# Altium PCB TD4_CPU.PcbDoc (part 1 of 3)
Units mm, origin at the board's own origin, x right, y up, seen from the top; angles counter-clockwise.
Board outline 102.11 x 192.02 mm, 2 copper layers (Top Layer, Bottom Layer); 361 components, 295 nets, 1160 pads, 333 vias.
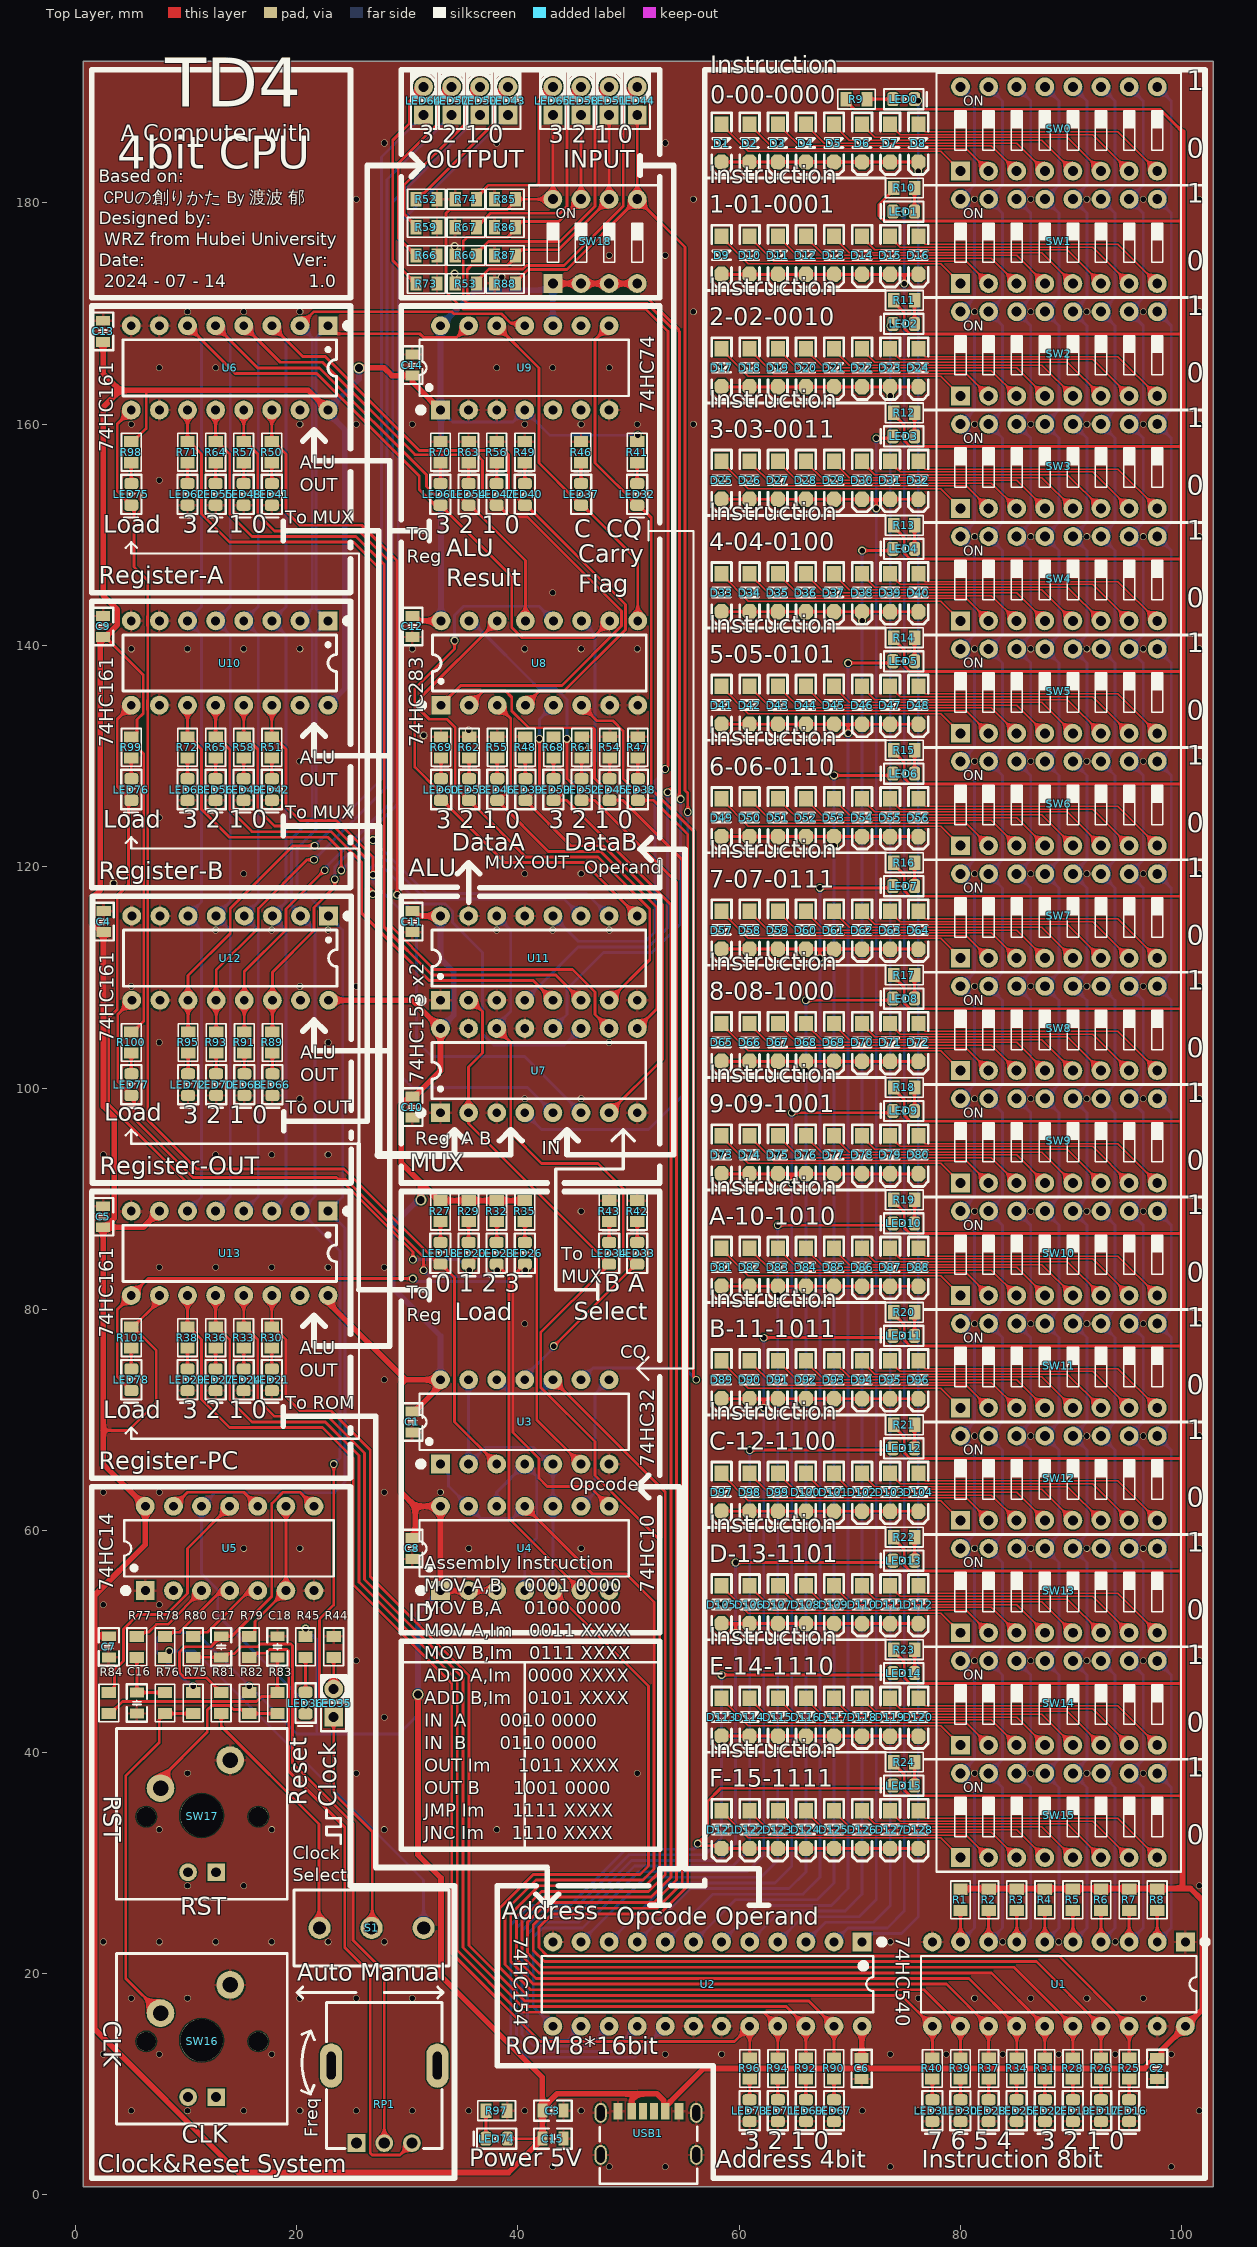
[diagram p0: Top Layer view]
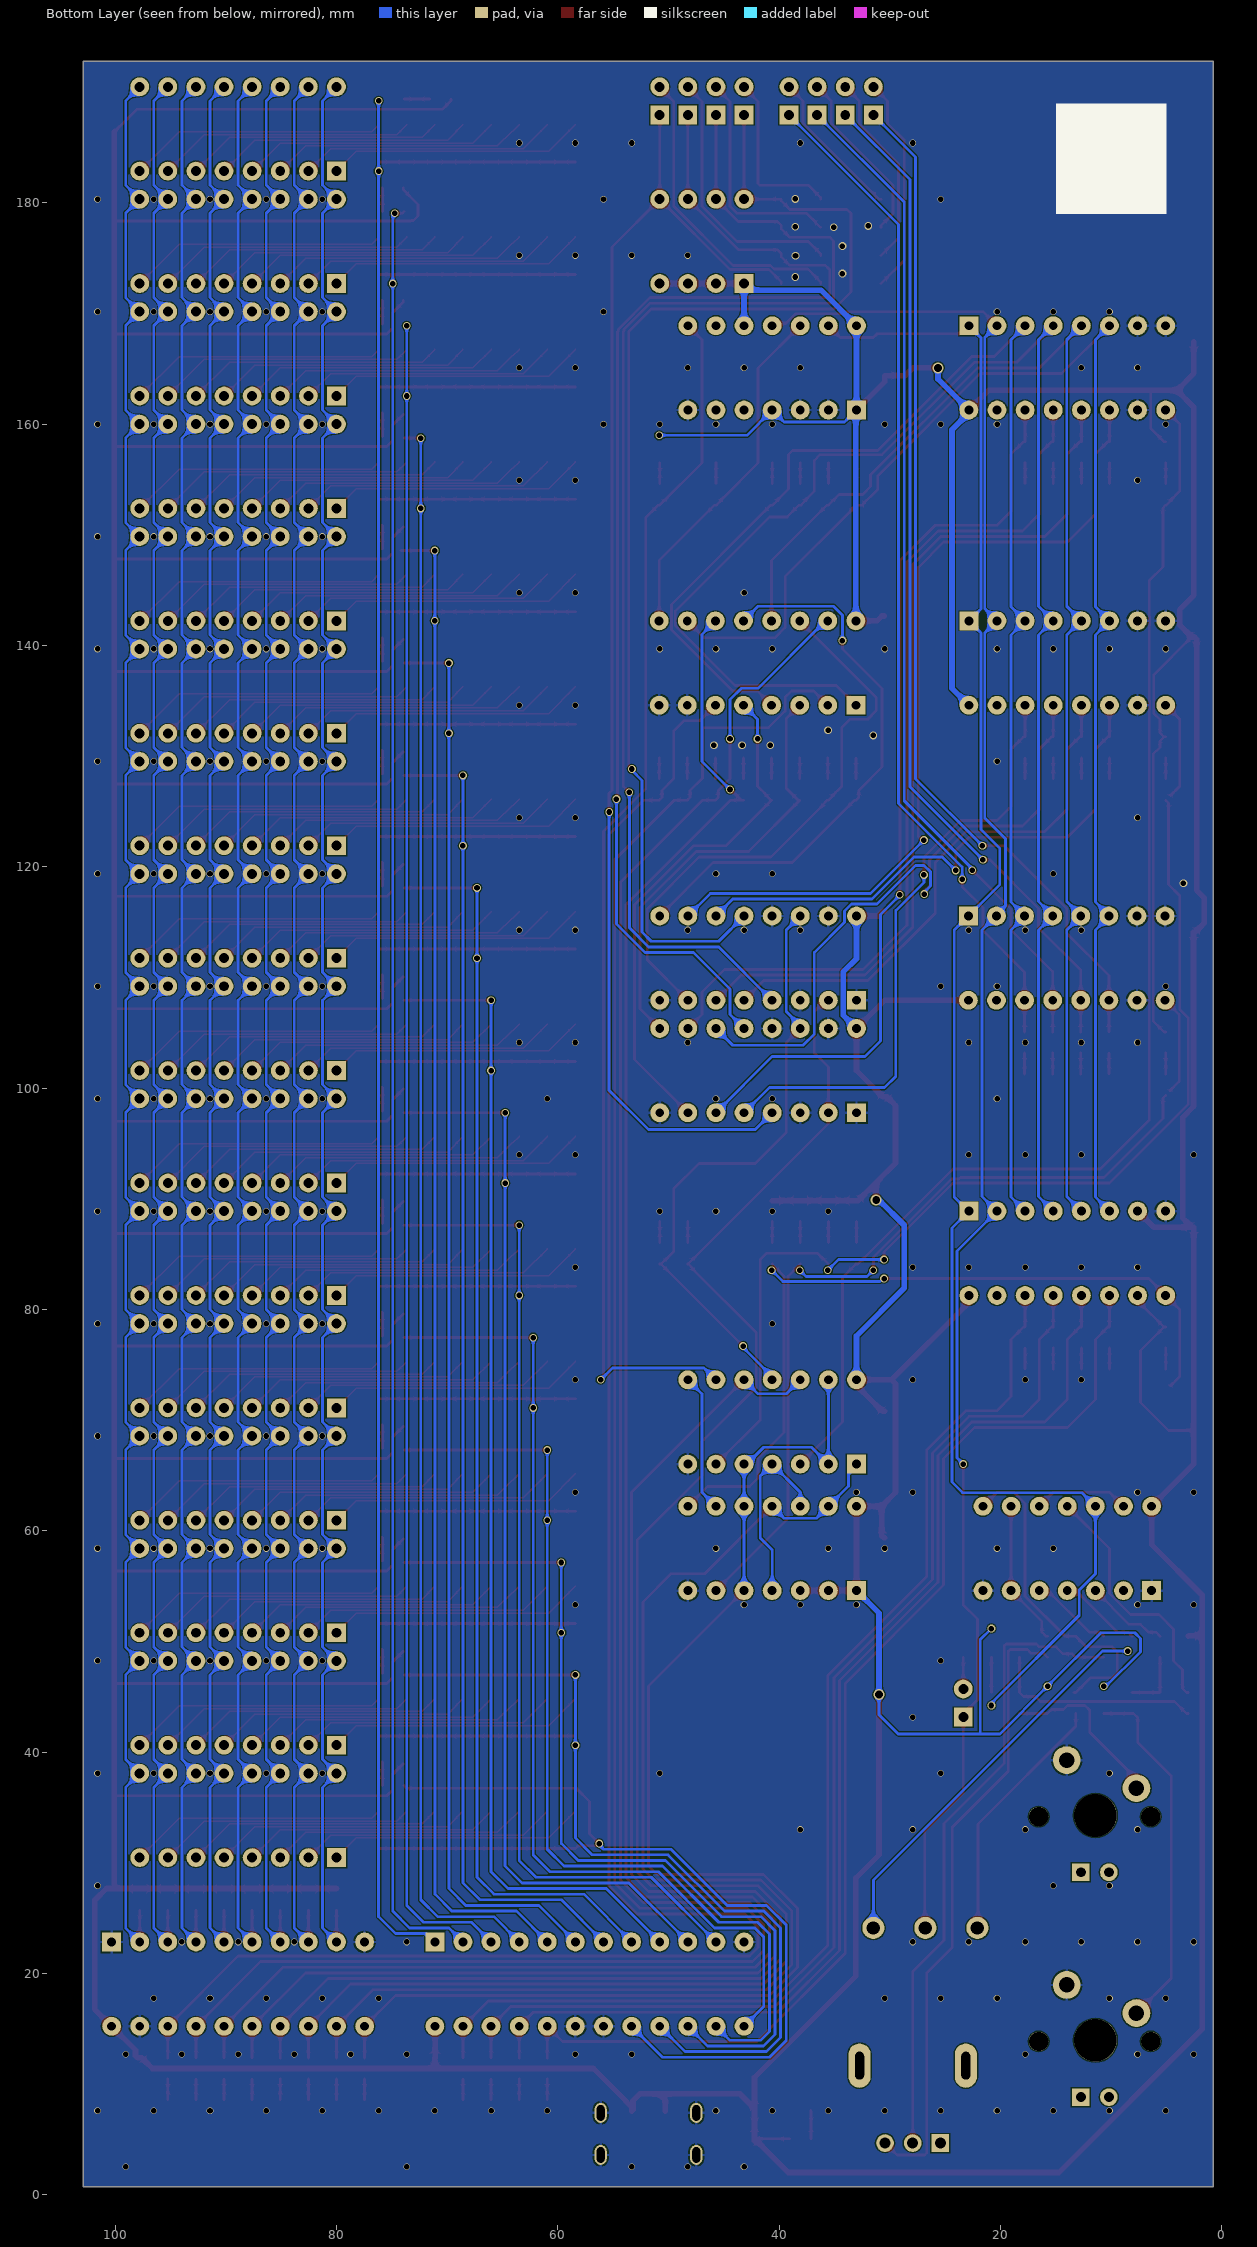
[diagram p1: Bottom Layer view, seen from below]
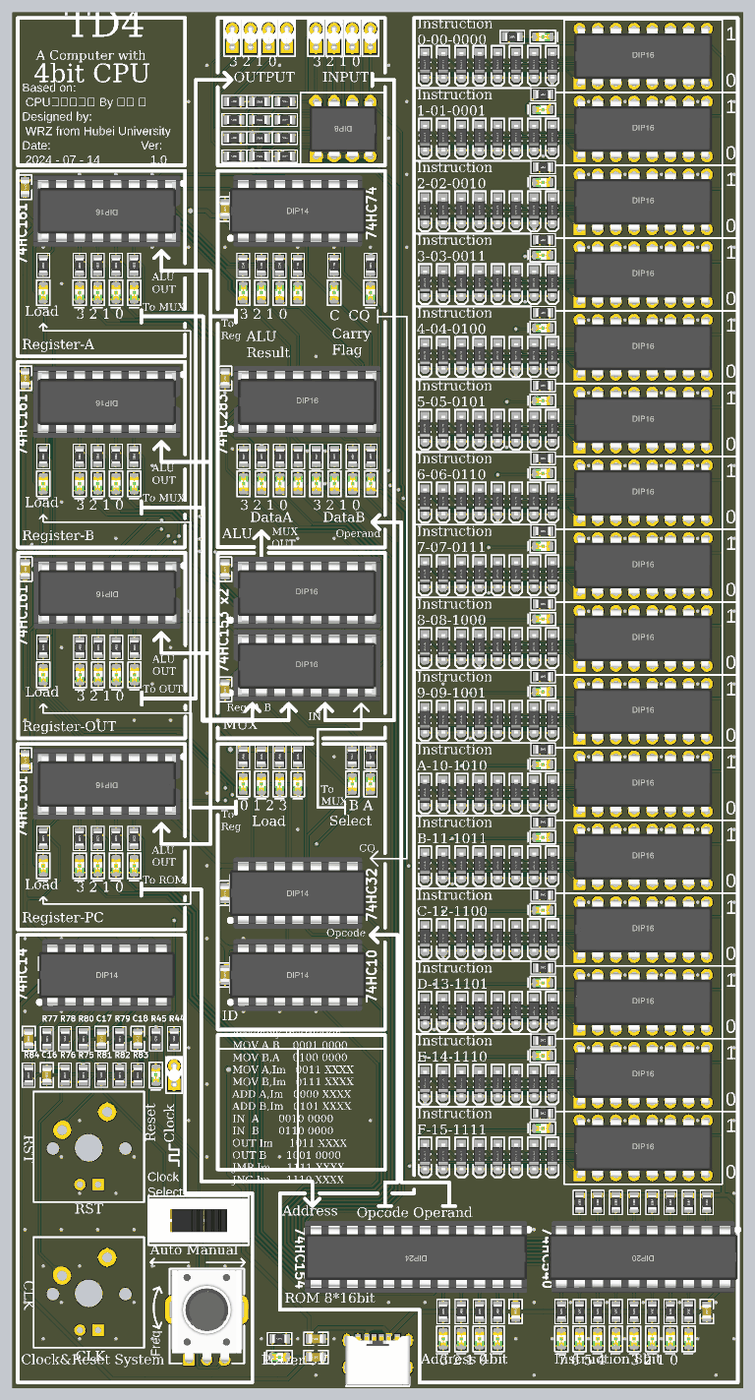
[diagram p4: 3D render of the assembled board from above, using the file's embedded part models]

## Layer stack, top to bottom
Top Solder: solder mask 0.0102, Solder Resist, Dk 3.5
Top Layer: signal copper 0.0356
Dielectric 1: dielectric 0.32, FR-4, Dk 4.8
Bottom Layer: signal copper 0.0356
Bottom Solder: solder mask 0.0102, Solder Resist, Dk 3.5

## Board outline
0.762,0.762 0.762,192.786 102.87,192.786 102.87,0.762

## Design rules (kind name [scope] priority, off if disabled: settings)
Clearance [All] p1: gap=0.102 ignorepadtopadclearanceinfootprint=FALSE
HoleSize [All] p1: absolutevalues=TRUE maxlimit=12.7 minlimit=0.025 maxpercent=80.000 minpercent=20.000
MinimumSolderMaskSliver [All] p1: minsoldermaskwidth=0
PolygonConnect PolygonConnect_VIA [ISVIA] p1: connectstyle=Direct reliefconductorwidth=0.254 reliefentries=4 polygonreliefangle="90 Angle" airgapwidth=0.254
PolygonConnect [All] p2: connectstyle=Relief reliefconductorwidth=0.254 reliefentries=4 polygonreliefangle="90 Angle" airgapwidth=0.152
RoutingVias [All] p1: holewidth=0.711 width=1.27 viastyle="Through Hole" minholewidth=0.711 minwidth=1.27 maxholewidth=0.711 maxwidth=1.27
SilkToSilkClearance [All] p1: silktosilkclearance=0
SilkToSolderMaskClearance [IsPad] p1: minsilkscreentomaskgap=0 clearancetoexposedcopper=TRUE
SolderMaskExpansion [All] p1: expansion=0.102
Width [All] p1: maxlimit=0.508 minlimit=0.127 preferedwidth=0.254
26 further rules are at their usual default settings.

## Components (designator, comment, footprint, x,y, rotation, side; value= is the part's Value field where it differs from the comment)
C1 "104" C0805_L 30.48,69.85 r90 top
C2 "104" C0805_L 97.79,11.43 r90 top
C3 "104" C0805_L 43.18,7.62 r180 top
C4 "104" C0805_L 2.591,115.062 r270 top
C5 "104" C0805_L 2.54,88.392 r270 top
C6 "104" C0805_L 71.082,11.43 r90 top
C7 "104" C0805_L 3.048,49.53 r90 top
C8 "104" C0805_L 30.48,58.42 r90 top
C9 "104" C0805_L 2.54,141.732 r270 top
C10 "104" C0805_L 30.48,98.298 r90 top
C11 "104" C0805_L 30.48,115.062 r90 top
C12 "104" C0805_L 30.48,141.732 r90 top
C13 "104" C0805_L 2.54,168.402 r270 top
C14 "104" C0805_L 30.48,165.354 r270 top
C15 "10uF" C0805_L 43.18,5.08 r180 top
C16 "10uF" C0805_L 5.588,44.45 r90 top
C17 "10uF" C0805_L 13.208,49.53 r270 top
C18 "10uF" C0805_L 18.288,49.53 r270 top
D1 "SS14" SOD-123 58.42,185.42 r270 top
D2 "SS14" SOD-123 60.96,185.42 r270 top
D3 "SS14" SOD-123 63.5,185.42 r270 top
D4 "SS14" SOD-123 66.04,185.42 r270 top
D5 "SS14" SOD-123 68.58,185.42 r270 top
D6 "SS14" SOD-123 71.12,185.42 r270 top
D7 "SS14" SOD-123 73.66,185.42 r270 top
D8 "SS14" SOD-123 76.2,185.42 r270 top
D9 "SS14" SOD-123 58.42,175.26 r270 top
D10 "SS14" SOD-123 60.96,175.26 r270 top
D11 "SS14" SOD-123 63.5,175.26 r270 top
D12 "SS14" SOD-123 66.04,175.26 r270 top
D13 "SS14" SOD-123 68.58,175.26 r270 top
D14 "SS14" SOD-123 71.12,175.26 r270 top
D15 "SS14" SOD-123 73.66,175.26 r270 top
D16 "SS14" SOD-123 76.2,175.26 r270 top
D17 "SS14" SOD-123 58.42,165.1 r270 top
D18 "SS14" SOD-123 60.96,165.1 r270 top
D19 "SS14" SOD-123 63.5,165.1 r270 top
D20 "SS14" SOD-123 66.04,165.1 r270 top
D21 "SS14" SOD-123 68.58,165.1 r270 top
D22 "SS14" SOD-123 71.12,165.1 r270 top
D23 "SS14" SOD-123 73.66,165.1 r270 top
D24 "SS14" SOD-123 76.2,165.1 r270 top
D25 "SS14" SOD-123 58.42,154.94 r270 top
D26 "SS14" SOD-123 60.96,154.94 r270 top
D27 "SS14" SOD-123 63.5,154.94 r270 top
D28 "SS14" SOD-123 66.04,154.94 r270 top
D29 "SS14" SOD-123 68.58,154.94 r270 top
D30 "SS14" SOD-123 71.12,154.94 r270 top
D31 "SS14" SOD-123 73.66,154.94 r270 top
D32 "SS14" SOD-123 76.2,154.94 r270 top
D33 "SS14" SOD-123 58.42,144.78 r270 top
D34 "SS14" SOD-123 60.96,144.78 r270 top
D35 "SS14" SOD-123 63.5,144.78 r270 top
D36 "SS14" SOD-123 66.04,144.78 r270 top
D37 "SS14" SOD-123 68.58,144.78 r270 top
D38 "SS14" SOD-123 71.12,144.78 r270 top
D39 "SS14" SOD-123 73.66,144.78 r270 top
D40 "SS14" SOD-123 76.2,144.78 r270 top
D41 "SS14" SOD-123 58.42,134.62 r270 top
D42 "SS14" SOD-123 60.96,134.62 r270 top
D43 "SS14" SOD-123 63.5,134.62 r270 top
D44 "SS14" SOD-123 66.04,134.62 r270 top
D45 "SS14" SOD-123 68.58,134.62 r270 top
D46 "SS14" SOD-123 71.12,134.62 r270 top
D47 "SS14" SOD-123 73.66,134.62 r270 top
D48 "SS14" SOD-123 76.2,134.62 r270 top
D49 "SS14" SOD-123 58.42,124.46 r270 top
D50 "SS14" SOD-123 60.96,124.46 r270 top
D51 "SS14" SOD-123 63.5,124.46 r270 top
D52 "SS14" SOD-123 66.04,124.46 r270 top
D53 "SS14" SOD-123 68.58,124.46 r270 top
D54 "SS14" SOD-123 71.12,124.46 r270 top
D55 "SS14" SOD-123 73.66,124.46 r270 top
D56 "SS14" SOD-123 76.2,124.46 r270 top
D57 "SS14" SOD-123 58.42,114.3 r270 top
D58 "SS14" SOD-123 60.96,114.3 r270 top
D59 "SS14" SOD-123 63.5,114.3 r270 top
D60 "SS14" SOD-123 66.04,114.3 r270 top
D61 "SS14" SOD-123 68.58,114.3 r270 top
D62 "SS14" SOD-123 71.12,114.3 r270 top
D63 "SS14" SOD-123 73.66,114.3 r270 top
D64 "SS14" SOD-123 76.2,114.3 r270 top
D65 "SS14" SOD-123 58.42,104.14 r270 top
D66 "SS14" SOD-123 60.96,104.14 r270 top
D67 "SS14" SOD-123 63.5,104.14 r270 top
D68 "SS14" SOD-123 66.04,104.14 r270 top
D69 "SS14" SOD-123 68.58,104.14 r270 top
D70 "SS14" SOD-123 71.12,104.14 r270 top
D71 "SS14" SOD-123 73.66,104.14 r270 top
D72 "SS14" SOD-123 76.2,104.14 r270 top
D73 "SS14" SOD-123 58.42,93.98 r270 top
D74 "SS14" SOD-123 60.96,93.98 r270 top
D75 "SS14" SOD-123 63.5,93.98 r270 top
D76 "SS14" SOD-123 66.04,93.98 r270 top
D77 "SS14" SOD-123 68.58,93.98 r270 top
D78 "SS14" SOD-123 71.12,93.98 r270 top
D79 "SS14" SOD-123 73.66,93.98 r270 top
D80 "SS14" SOD-123 76.2,93.98 r270 top
D81 "SS14" SOD-123 58.42,83.82 r270 top
D82 "SS14" SOD-123 60.96,83.82 r270 top
D83 "SS14" SOD-123 63.5,83.82 r270 top
D84 "SS14" SOD-123 66.04,83.82 r270 top
D85 "SS14" SOD-123 68.58,83.82 r270 top
D86 "SS14" SOD-123 71.12,83.82 r270 top
D87 "SS14" SOD-123 73.66,83.82 r270 top
D88 "SS14" SOD-123 76.2,83.82 r270 top
D89 "SS14" SOD-123 58.42,73.66 r270 top
D90 "SS14" SOD-123 60.96,73.66 r270 top
D91 "SS14" SOD-123 63.5,73.66 r270 top
D92 "SS14" SOD-123 66.04,73.66 r270 top
D93 "SS14" SOD-123 68.58,73.66 r270 top
D94 "SS14" SOD-123 71.12,73.66 r270 top
D95 "SS14" SOD-123 73.66,73.66 r270 top
D96 "SS14" SOD-123 76.2,73.66 r270 top
D97 "SS14" SOD-123 58.42,63.5 r270 top
D98 "SS14" SOD-123 60.96,63.5 r270 top
D99 "SS14" SOD-123 63.5,63.5 r270 top
D100 "SS14" SOD-123 66.04,63.5 r270 top
D101 "SS14" SOD-123 68.58,63.5 r270 top
D102 "SS14" SOD-123 71.12,63.5 r270 top
D103 "SS14" SOD-123 73.66,63.5 r270 top
D104 "SS14" SOD-123 76.2,63.5 r270 top
D105 "SS14" SOD-123 58.42,53.34 r270 top
D106 "SS14" SOD-123 60.96,53.34 r270 top
D107 "SS14" SOD-123 63.5,53.34 r270 top
D108 "SS14" SOD-123 66.04,53.34 r270 top
D109 "SS14" SOD-123 68.58,53.34 r270 top
D110 "SS14" SOD-123 71.12,53.34 r270 top
D111 "SS14" SOD-123 73.66,53.34 r270 top
D112 "SS14" SOD-123 76.2,53.34 r270 top
D113 "SS14" SOD-123 58.42,43.18 r270 top
D114 "SS14" SOD-123 60.96,43.18 r270 top
D115 "SS14" SOD-123 63.5,43.18 r270 top
D116 "SS14" SOD-123 66.04,43.18 r270 top
D117 "SS14" SOD-123 68.58,43.18 r270 top
D118 "SS14" SOD-123 71.12,43.18 r270 top
D119 "SS14" SOD-123 73.66,43.18 r270 top
D120 "SS14" SOD-123 76.2,43.18 r270 top
D121 "SS14" SOD-123 58.42,33.02 r270 top
D122 "SS14" SOD-123 60.96,33.02 r270 top
D123 "SS14" SOD-123 63.5,33.02 r270 top
D124 "SS14" SOD-123 66.04,33.02 r270 top
D125 "SS14" SOD-123 68.58,33.02 r270 top
D126 "SS14" SOD-123 71.12,33.02 r270 top
D127 "SS14" SOD-123 73.66,33.02 r270 top
D128 "SS14" SOD-123 76.2,33.02 r270 top
LED0 "绿色" LED0805_B 74.886,189.389 r0 top
LED1 "绿色" LED0805_B 74.886,179.229 r180 top
LED2 "绿色" LED0805_B 74.886,169.069 r180 top
LED3 "绿色" LED0805_B 74.886,158.909 r180 top
LED4 "绿色" LED0805_B 74.886,148.749 r180 top
LED5 "绿色" LED0805_B 74.886,138.589 r180 top
LED6 "绿色" LED0805_B 74.886,128.429 r180 top
LED7 "绿色" LED0805_B 74.886,118.269 r180 top
LED8 "绿色" LED0805_B 74.886,108.109 r180 top
LED9 "绿色" LED0805_B 74.886,97.949 r180 top
LED10 "绿色" LED0805_B 74.886,87.789 r180 top
LED11 "绿色" LED0805_B 74.886,77.629 r180 top
LED12 "绿色" LED0805_B 74.886,67.469 r180 top
LED13 "绿色" LED0805_B 74.886,57.309 r180 top
LED14 "绿色" LED0805_B 74.886,47.149 r180 top
LED15 "绿色" LED0805_B 74.886,36.989 r180 top
LED16 "蓝色" LED0805_B 95.25,7.62 r270 top
LED17 "蓝色" LED0805_B 92.71,7.62 r270 top
LED18 "红色" LED0805_B 33.02,85.09 r270 top
LED19 "蓝色" LED0805_B 90.17,7.62 r270 top
LED20 "红色" LED0805_B 35.56,85.09 r270 top
LED21 "绿色" LED0805_B 17.78,73.66 r270 top
LED22 "蓝色" LED0805_B 87.63,7.62 r270 top
LED23 "红色" LED0805_B 38.1,85.09 r270 top
LED24 "绿色" LED0805_B 15.24,73.66 r270 top
LED25 "蓝色" LED0805_B 85.09,7.62 r270 top
LED26 "红色" LED0805_B 40.64,85.09 r270 top
LED27 "绿色" LED0805_B 12.7,73.66 r270 top
LED28 "蓝色" LED0805_B 82.55,7.62 r270 top
LED29 "绿色" LED0805_B 10.16,73.66 r270 top
LED30 "蓝色" LED0805_B 80.01,7.62 r270 top
LED31 "蓝色" LED0805_B 77.47,7.62 r270 top
LED32 "红色" LED0805_B 50.8,153.67 r270 top
LED33 "黄色" LED0805_B 50.8,85.09 r90 top
LED34 "黄色" LED0805_B 48.26,85.09 r90 top
LED35 "红色" "LED F257-W - duplicate" 23.368,44.45 r90 top
LED36 "紫色" LED0805_B 20.828,44.45 r270 top
LED37 "黄色" LED0805_B 45.72,153.67 r90 top
LED38 "蓝色" LED0805_B 50.851,127 r90 top
LED39 "红色" LED0805_B 40.691,127 r90 top
LED40 "黄绿色" LED0805_B 40.64,153.67 r90 top
LED41 "绿色" LED0805_B 17.78,153.67 r270 top
LED42 "绿色" LED0805_B 17.78,127 r270 top
LED43 "绿色" "LED F257-W - duplicate" 39.116,189.23 r90 top
LED44 "蓝色" "LED F257-W - duplicate" 50.8,189.23 r90 top
LED45 "蓝色" LED0805_B 48.311,127 r90 top
LED46 "红色" LED0805_B 38.151,127 r90 top
LED47 "黄绿色" LED0805_B 38.1,153.67 r90 top
LED48 "绿色" LED0805_B 15.24,153.67 r270 top
LED49 "绿色" LED0805_B 15.24,127 r270 top
LED50 "绿色" "LED F257-W - duplicate" 36.576,189.23 r90 top
LED51 "蓝色" "LED F257-W - duplicate" 48.26,189.23 r90 top
LED52 "蓝色" LED0805_B 45.771,127 r90 top
LED53 "红色" LED0805_B 35.611,127 r90 top
LED54 "黄绿色" LED0805_B 35.56,153.67 r90 top
LED55 "绿色" LED0805_B 12.7,153.67 r270 top
LED56 "绿色" LED0805_B 12.7,127 r270 top
LED57 "绿色" "LED F257-W - duplicate" 34.036,189.23 r90 top
LED58 "蓝色" "LED F257-W - duplicate" 45.72,189.23 r90 top
LED59 "蓝色" LED0805_B 43.231,127 r90 top
LED60 "红色" LED0805_B 33.071,127 r90 top
LED61 "黄绿色" LED0805_B 33.02,153.67 r90 top
LED62 "绿色" LED0805_B 10.16,153.67 r270 top
LED63 "绿色" LED0805_B 10.16,127 r270 top
LED64 "绿色" "LED F257-W - duplicate" 31.496,189.23 r90 top
LED65 "蓝色" "LED F257-W - duplicate" 43.18,189.23 r90 top
LED66 "绿色" LED0805_B 17.831,100.33 r270 top
LED67 "绿色" LED0805_B 68.58,7.62 r270 top
LED68 "绿色" LED0805_B 15.291,100.33 r270 top
LED69 "绿色" LED0805_B 66.04,7.62 r270 top
LED70 "绿色" LED0805_B 12.751,100.33 r270 top
LED71 "绿色" LED0805_B 63.5,7.62 r270 top
LED72 "绿色" LED0805_B 10.211,100.33 r270 top
LED73 "绿色" LED0805_B 60.96,7.62 r270 top
LED74 "紫色" LED0805_B 38.1,5.08 r180 top
LED75 "红色" LED0805_B 5.08,153.67 r270 top
LED76 "红色" LED0805_B 5.08,127 r270 top
LED77 "红色" LED0805_B 5.08,100.33 r270 top
LED78 "红色" LED0805_B 5.08,73.66 r270 top
R1 "10K" R0805_L 80.01,26.67 r270 top
R2 "10K" R0805_L 82.55,26.67 r270 top
R3 "10K" R0805_L 85.09,26.67 r270 top